# KiCad board Ultrasonic Sound Steering - Control Rev. A.kicad_pcb (continued)
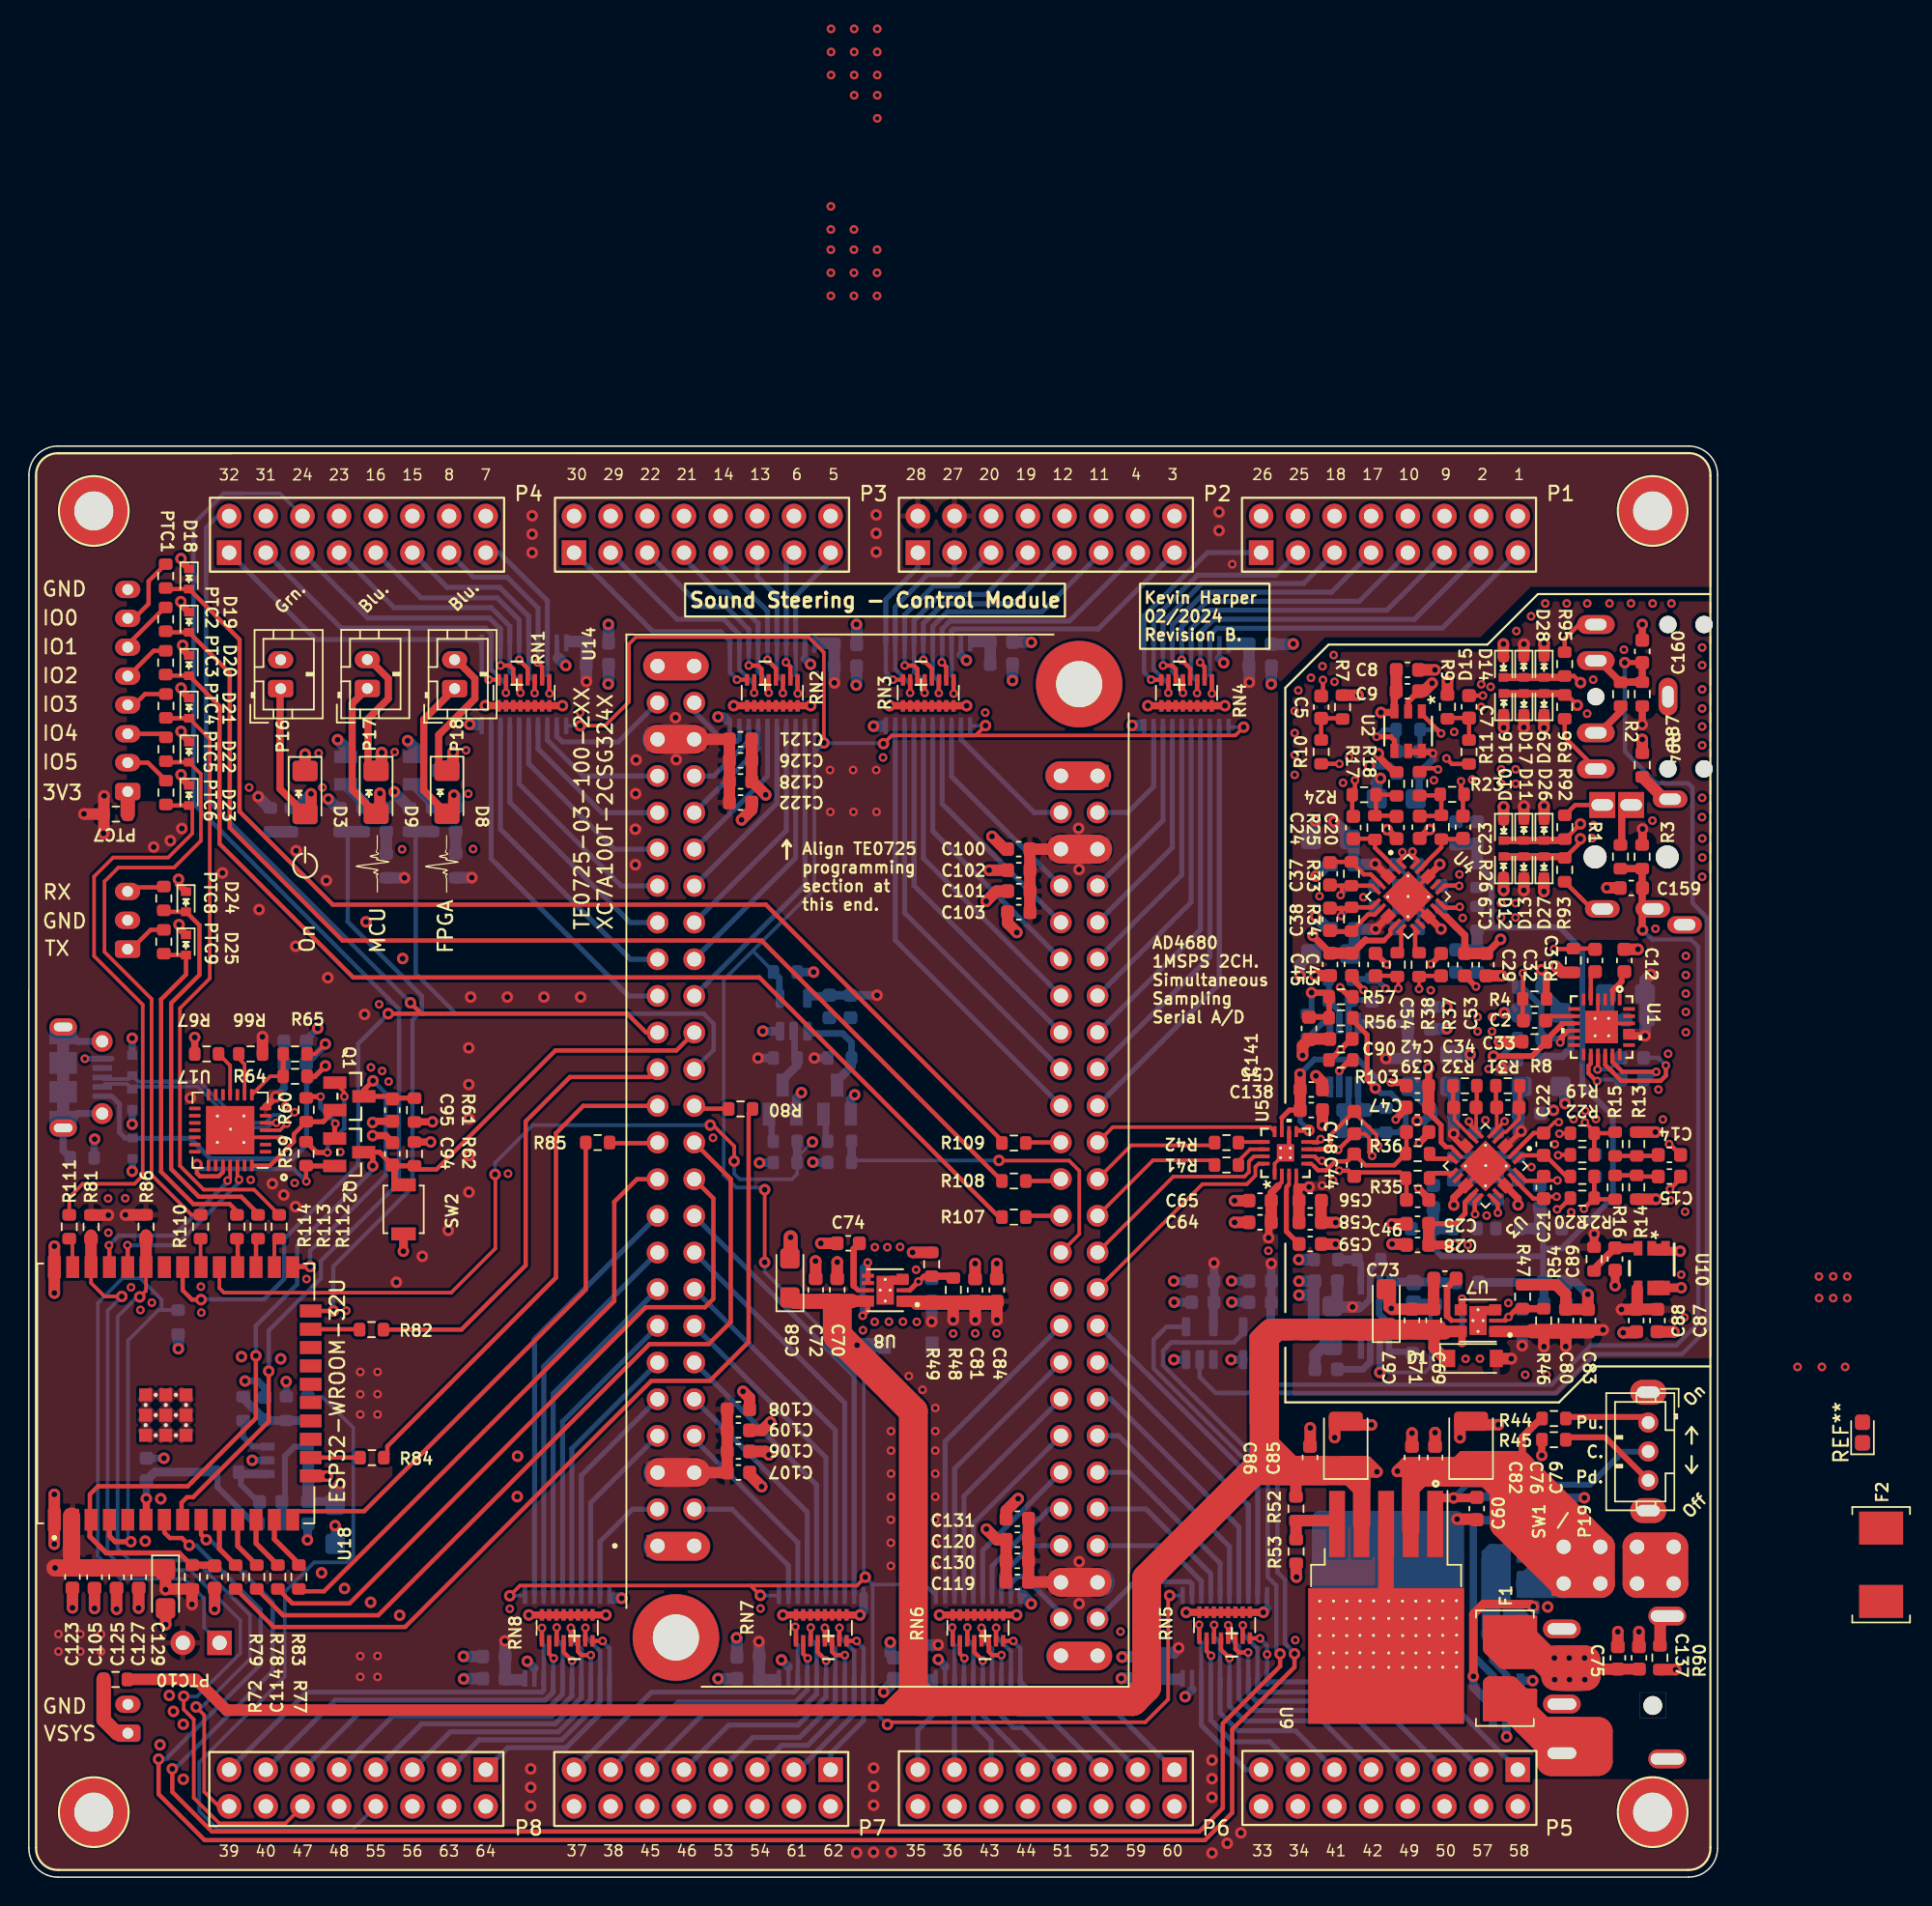
[diagram p0: board, top side]
## Routing (per net, layer and track width the routed paths; a pad name or vN(x,y) marks a point on that pad's centre or on a via; arc(x,y) is an arc through that point) (continued)
  Top w0.5: P17.2 23.59,84.35 24.9,83.04 24.9,81.64 23.5,80.24 23.5,77.21 D9.1
  Top w0.8: v2(24.45,77.91) 24.45,77.04
  Bottom w0.25: 24.45,77.85 v2(24.45,77.91)
  Bottom w0.8: 24.45,77.85 24.4,77.8 24.4,77.1 23.96,76.66
Net-(D9-Pad2): length 12.5
  Top w0.25: 24.32,73.94 D9.2
  Top w0.5: D9.2 22.4,75.34 22.4,81.3 P17.1
  Top w0.8: v2(24.32,75.09) 24.32,73.94
  Bottom w0.6: 24.76,74.09 24.31,74.54 24.31,75.08 v2(24.32,75.09)
Net-(F1-Pad1): length 104.4
  Top w0.25: 105.29,8.02 102.26,11.05 F1.1 ; 103.46,12.67 106.5,9.64
  Top w0.3: 103.86,12.77 103.86,11.35 ; 103.81,12.92 103.81,11.5 ; 102.93,12.92 104.35,12.92 ; 103.81,12.81 103.81,11.39 ; 104.1,12.81 104.1,11.39 ; 104.13,12.87 104.13,11.45 ; 103.98,12.84 103.98,11.42 ; 104.35,12.92 104.35,11.5
  Top w1: 102.39,13.41 101.24,13.41 101.24,11.31 ; 102.61,11.87 105.65,8.84 ; 102.33,11.73 105.37,8.7 ; 103.38,12.13 106.42,9.1 ; 103.53,12.6 102.72,13.41 101.57,13.41 ; 103.14,11.87 106.18,8.84 ; 102.57,11.85 105.61,8.82 ; 103.07,12.46 106.11,9.43 ; 102.68,12.16 105.72,9.13 ; 102.44,11.71 105.48,8.68 ; 102.84,12.34 105.88,9.31 ; 102.98,12.41 106.02,9.38
  Top w2: 108.66,8 106.6,8 ; 107.52,8 105.46,8 ; 105.46,9.61 105.46,8.02 ; 105.49,8.01 108.24,8.01 ; 105.6,8.6 108.35,8.6 ; 108.73,10.09 108.73,8.03 108.72,8.02 ; P13.1 105.29,9.51 105.29,9.6 ; 104.68,10.09 107.43,10.09 ; 105.97,10.09 108.72,10.09 ; 105.46,8.48 105.46,10.07 ; 106.22,9.12 105.99,9.35 106.12,9.22 108.66,9.22 ; 105.47,8.59 108.22,8.59 ; 105.47,8.32 105.47,9.91 ; 107.13,10.09 105.54,10.09 ; 107.17,9.6 105.58,9.6 ; 105.46,10.08 108.21,10.08
Net-(P1-Pad1): length 11.9
  Bottom w0.35: P1.1 81.65,91.76 77.27,87.39 U13.11
Net-(P1-Pad3): length 13.6
  Bottom w0.35: U13.12 77.92,87.16 80.98,90.21 86.36,90.21 P1.3
Net-(P1-Pad5): length 15.4
  Bottom w0.35: U13.13 78.57,86.94 81.26,89.62 88.31,89.62 P1.5
Net-(P1-Pad7): length 17.2
  Bottom w0.35: P1.7 90.25,89.02 81.49,89.02 79.22,86.76 U13.14
Net-(P1-Pad9): length 19
  Bottom w0.35: P1.9 92.16,88.39 81.63,88.39 79.87,86.63 U13.15
Net-(P1-Pad11): length 20.8
  Bottom w0.35: P1.11 94.08,87.77 81.82,87.77 80.52,86.48 U13.16
Net-(P1-Pad13): length 22.6
  Bottom w0.35: U13.17 81.17,86.25 82.07,87.14 95.99,87.14 P1.13
Net-(P1-Pad15): length 24.3
  Bottom w0.35: P1.15 97.92,86.53 82.3,86.53 81.82,86.06 U13.18
Net-(P2-Pad1): length 11.1
  Top w0.2: 60.55,82.96 60.56,82.95
  Top w0.3: v1(59.86,82.96) 60.55,82.96
  Bottom w0.25: v1(59.86,82.96) 59.86,82.99
  Bottom w0.3: 59.38,85.51 59.38,83.48 59.86,82.99
  Bottom w0.35: 59.37,86.04 U16.11 59.37,88.52 61.59,90.73 P2.1
Net-(P2-Pad3): length 13.6
  Top w0.2: 61.05,82.05 61.06,82.06
  Top w0.3: 61.06,82.06 61.06,82.95
  Bottom w0.3: 61.05,82.05 61.05,82.65 60.03,83.68 60.03,85.51
  Bottom w0.35: U16.12 60.02,88.01 62.26,90.24 63.8,90.24 64.13,90.57 P2.3
Net-(P2-Pad5): length 13
  Top w0.3: 61.56,82.95 61.56,83.7 61.32,83.94 60.68,83.94
  Bottom w0.25: 60.68,83.94 60.68,83.95
  Bottom w0.3: 60.68,83.95 60.68,85.51
  Bottom w0.35: U16.13 60.67,87.46 62.67,89.45 64.36,89.45 P2.5
Net-(P2-Pad7): length 16
  Top w0.3: 62.06,82.05 62.06,82.95
  Bottom w0.3: 61.33,85.51 61.33,83.53 62.06,82.79 62.06,82.05
  Bottom w0.35: P2.7 66.32,88.87 63.14,88.87 61.32,87.06 U16.14
Net-(P2-Pad9): length 16
  Top w0.3: 61.98,84.33 62.56,83.74 62.56,82.95
  Bottom w0.3: 61.98,84.33 61.98,85.51
  Bottom w0.35: P2.9 68.2,88.21 63.33,88.21 61.97,86.86 U16.15
Net-(P2-Pad11): length 19.5
  Top w0.2: 63.04,82.93 63.06,82.95
  Top w0.3: 63.04,82.03 63.04,82.93
  Bottom w0.3: 62.63,85.51 62.63,83.28 63.04,82.86 63.04,82.03
  Bottom w0.35: U16.16 62.62,86.67 63.62,87.66 70.19,87.66 P2.11
Net-(P2-Pad13): length 19.4
  Top w0.3: 63.56,82.95 63.56,83.85 63.25,84.16
  Bottom w0.25: 63.25,84.16 63.28,84.19
  Bottom w0.3: 63.28,84.19 63.28,85.51
  Bottom w0.35: U16.17 63.27,86.48 63.82,87.02 72.09,87.02 P2.13
Net-(P2-Pad15): length 23.2
  Top w0.2: 64.07,82 64.07,82.05 64.12,82.1
  Top w0.3: 64.06,82.95 64.06,82.01 64.07,82
  Bottom w0.3: 63.93,85.51 63.93,83.26 64.07,83.12 64.07,82
  Bottom w0.35: P2.15 74.08,86.47 64.05,86.47 63.92,86.35 U16.18
Net-(P3-Pad1): length 13.6
  Bottom w0.35: U20.11 48.57,85.65 47.94,86.28 43.25,86.28 P3.1
Net-(P3-Pad3): length 11.9
  Bottom w0.35: P3.3 44.92,87.15 48.15,87.15 49.22,86.08 U20.12
Net-(P3-Pad5): length 10.3
  Bottom w0.35: P3.5 46.58,88.03 48.29,88.03 49.87,86.45 U20.13
Net-(P3-Pad7): length 9
  Bottom w0.25: 45.39,91.18 P3.7
  Bottom w0.35: U20.14 50.52,86.87 48.36,89.03 47.73,89.03 45.59,91.18 45.39,91.18
Net-(P3-Pad9): length 7.7
  Bottom w0.35: U20.15 51.17,87.71 47.93,90.96 P3.9
Net-(P3-Pad11): length 6.9
  Bottom w0.35: P3.11 50.47,90.12 51.82,88.76 U20.16
Net-(P3-Pad13): length 6.6
  Bottom w0.35: U20.17 52.48,85.42 52.48,91.24 P3.13
Net-(P3-Pad15): length 7.4
  Bottom w0.35: U20.18 53.12,88.77 55.55,91.19 P3.15
Net-(P4-Pad1): length 37.4
  Top w0.2: 84.6,16.54 RN5.16 ; 32.55,82.96 RN1.16 ; 49.75,82.96 RN2.16 ; 56.66,16.36 RN7.16 ; 78.45,82.96 RN4.16
  Top w0.3: v1(57.35,16.36) 56.66,16.36 ; v1(49.06,82.96) 49.75,82.96 ; v1(77.76,82.96) 78.45,82.96 ; v1(31.86,82.96) 32.55,82.96 ; v1(85.29,16.54) 84.6,16.54
  Bottom w0.25: v1(85.29,16.54) 85.29,16.51 ; v1(57.35,16.36) 57.35,16.33 ; v1(31.86,82.96) 31.86,82.99 ; v1(77.76,82.96) 77.76,82.99 ; v1(49.06,82.96) 49.06,82.99
  Bottom w0.3: 85.29,16.51 85.78,16.03 85.78,13.99 ; 77.76,82.99 77.27,83.48 77.27,85.51 ; 48.57,85.51 48.57,83.48 49.06,82.99 ; U22.11 31.37,83.48 31.86,82.99 ; 57.35,16.33 57.83,15.85 57.83,13.81
  Bottom w0.35: U22.11 31.13,85.75 19.88,85.75 P4.1
Net-(P4-Pad3): length 42.5
  Top w0.2: v1(84.1,17.45) 84.09,17.44 ; v1(56.16,17.27) 56.15,17.26 ; v1(50.25,82.05) 50.26,82.06 ; v1(33.05,82.05) 33.06,82.06 ; v1(78.95,82.05) 78.96,82.06
  Top w0.3: 84.09,17.44 RN5.15 ; 78.96,82.06 RN4.15 ; 56.15,17.26 RN7.15 ; 50.26,82.06 RN2.15 ; 33.06,82.06 RN1.15
  Bottom w0.3: 57.18,13.81 57.18,15.64 56.16,16.67 v1(56.16,17.27) ; 85.13,13.99 85.13,15.83 84.1,16.85 v1(84.1,17.45) ; v1(33.05,82.05) 33.05,82.66 32.02,83.68 U22.12 ; v1(78.95,82.05) 78.95,82.65 77.92,83.68 77.92,85.51 ; 49.22,85.51 49.22,83.68 50.25,82.66 v1(50.25,82.05)
  Bottom w0.35: U22.12 32.02,86.15 31.64,86.53 21.64,86.53 P4.3
  vias: v1(38.56,17.27) v1(61.05,82.05) v1(67.01,17.27)
Net-(P4-Pad5): length 33.4
  Top w0.3: RN5.14 83.59,15.8 83.83,15.56 v1(84.47,15.56) ; RN7.14 55.65,15.62 55.89,15.38 v1(56.53,15.38) ; RN4.14 79.46,83.7 79.22,83.94 v1(78.58,83.94) ; RN1.14 33.56,83.7 33.32,83.94 v1(32.68,83.94) ; v1(49.88,83.94) 50.52,83.94 50.76,83.7 RN2.14
  Bottom w0.25: v1(49.88,83.94) 49.87,83.95 ; v1(56.53,15.38) 56.53,15.38 ; v1(84.47,15.56) 84.48,15.56 ; v1(32.68,83.94) 32.67,83.95 ; v1(78.58,83.94) 78.57,83.95
  Bottom w0.3: 78.57,83.95 78.57,85.51 ; 49.87,83.95 49.87,85.51 ; 56.53,15.38 56.53,13.81 ; 32.67,83.95 U22.13 ; 84.48,15.56 84.48,13.99
  Bottom w0.35: P4.5 23.48,87.23 31.92,87.23 32.67,86.48 U22.13
  vias: v1(35.55,17.26) v1(38.93,15.38) v1(53.1,17.34) v1(60.68,83.94) v1(63.97,17.29) v1(67.38,15.38) v1(81.08,17.48)
Net-(P4-Pad7): length 38.4
  Top w0.3: v1(79.96,82.05) RN4.13 ; v1(51.26,82.05) RN2.13 ; v1(55.15,17.27) RN7.13 ; v1(34.06,82.05) RN1.13 ; v1(83.09,17.45) RN5.13
  Bottom w0.3: v1(55.15,17.27) 55.15,16.53 55.88,15.8 55.88,13.81 ; v1(79.96,82.05) 79.96,82.79 79.22,83.53 79.22,85.51 ; U22.14 33.32,83.53 34.06,82.79 v1(34.06,82.05) ; 83.83,13.99 83.83,15.98 83.09,16.71 v1(83.09,17.45) ; 50.52,85.51 50.52,83.53 51.26,82.79 v1(51.26,82.05)
  Bottom w0.35: P4.7 25.3,87.95 32.03,87.95 33.32,86.66 U22.14
  vias: v1(37.55,17.27) v1(62.06,82.05) v1(66,17.27)
Net-(P4-Pad9): length 27.5
  Top w0.3: v1(79.87,84.33) 80.46,83.74 RN4.12 ; RN5.12 82.59,15.76 v1(83.18,15.18) ; v1(33.97,84.33) 34.56,83.74 RN1.12 ; v1(55.23,15) 54.65,15.58 RN7.12 ; RN2.12 51.76,83.74 v1(51.17,84.33)
  Bottom w0.3: v1(83.18,15.18) 83.18,13.99 ; v1(79.87,84.33) 79.87,85.51 ; v1(33.97,84.33) U22.15 ; v1(55.23,15) 55.23,13.81 ; v1(51.17,84.33) 51.17,85.51
  Bottom w0.35: U22.15 33.97,87.1 32.44,88.63 27.16,88.63 P4.9
  vias: v1(37.63,15) v1(61.98,84.33) v1(66.09,15)
Net-(P4-Pad11): length 34.6
  Top w0.2: 82.11,16.57 RN5.11 ; 35.04,82.93 RN1.11 ; 52.24,82.93 RN2.11 ; 54.17,16.39 RN7.11 ; 80.94,82.93 RN4.11
  Top w0.3: v1(80.94,82.03) 80.94,82.93 ; v1(54.17,17.29) 54.17,16.39 ; v1(82.11,17.47) 82.11,16.57 ; v1(52.24,82.03) 52.24,82.93 ; v1(35.04,82.03) 35.04,82.93
  Bottom w0.3: v1(52.24,82.03) 52.24,82.86 51.82,83.28 51.82,85.51 ; v1(54.17,17.29) 54.17,16.46 54.58,16.05 54.58,13.81 ; v1(80.94,82.03) 80.94,82.86 80.52,83.28 80.52,85.51 ; 82.53,13.99 82.53,16.23 82.11,16.64 v1(82.11,17.47) ; v1(35.04,82.03) 35.04,82.86 34.62,83.28 U22.16
  Bottom w0.35: P4.11 28.98,89.35 32.63,89.35 34.62,87.36 U22.16
  vias: v1(36.57,17.29) v1(63.04,82.03) v1(65.02,17.29)
Net-(P4-Pad13): length 23.7
  Top w0.3: RN2.10 52.76,83.85 v1(52.45,84.16) ; RN7.10 53.65,15.47 v1(53.96,15.16) ; v1(35.25,84.16) 35.56,83.85 RN1.10 ; RN5.10 81.59,15.66 v1(81.9,15.34) ; RN4.10 81.46,83.85 v1(81.14,84.16)
  Bottom w0.25: v1(52.45,84.16) 52.47,84.19 ; v1(81.14,84.16) 81.17,84.19 ; v1(35.25,84.16) 35.27,84.19 ; v1(53.96,15.16) 53.93,15.14 ; v1(81.9,15.34) 81.88,15.32
  Bottom w0.3: 53.93,15.14 53.93,13.81 ; 35.27,84.19 U22.17 ; 52.47,84.19 52.47,85.51 ; 81.88,15.32 81.88,13.99 ; 81.17,84.19 81.17,85.51
  Bottom w0.35: U22.17 35.27,87.93 33.14,90.06 30.81,90.06 P4.13
  vias: v1(36.36,15.16) v1(63.25,84.16) v1(64.81,15.16)
Net-(P4-Pad15): length 24.6
  Top w0.2: 81.08,17.5 81.08,17.45 81.03,17.4 ; v1(81.97,82) 81.97,82.05 82.02,82.1 ; v1(36.07,82) 36.07,82.05 36.12,82.1 ; 53.32,82.1 53.27,82.05 v1(53.27,82) ; 53.14,17.32 53.14,17.27 53.09,17.22
  Top w0.3: 53.14,17.32 53.15,17.31 RN7.9 ; v1(81.97,82) 81.96,82.01 RN4.9 ; v1(53.27,82) 53.26,82.01 RN2.9 ; v1(36.07,82) 36.06,82.01 RN1.9 ; RN5.9 81.09,17.49 81.08,17.5
  Bottom w0.25: 35.93,85.51 U22.18
  Bottom w0.3: v1(81.97,82) 81.97,83.12 81.83,83.26 81.83,85.51 ; 35.93,85.51 35.93,83.26 36.07,83.12 v1(36.07,82) ; v1(53.27,82) 53.27,83.12 53.13,83.26 53.13,85.51
  Bottom w0.35: P4.15 32.59,91.76 35.92,88.43 U22.18
  vias: v1(64.07,82)
Net-(P5-Pad1): length 20
  Bottom w0.35: U12.11 86.03,13.52 97.07,13.52 P5.1
Net-(P5-Pad3): length 18.6
  Bottom w0.35: U12.12 85.13,12.94 85.26,12.81 95.24,12.81 P5.3
Net-(P5-Pad5): length 16.8
  Bottom w0.35: U12.13 84.48,12.74 85.04,12.18 93.33,12.18 P5.5
Net-(P5-Pad7): length 15.1
  Bottom w0.35: P5.7 91.43,11.54 84.68,11.54 83.83,12.39 U12.14
Net-(P5-Pad9): length 13.5
  Bottom w0.35: U12.15 83.18,11.87 84.22,10.83 89.6,10.83 P5.9
Net-(P5-Pad11): length 11.9
  Bottom w0.35: U12.16 82.53,11.38 83.77,10.14 87.75,10.14 P5.11
Net-(P5-Pad13): length 10.3
  Bottom w0.35: U12.17 81.88,10.89 83.39,9.38 85.97,9.38 P5.13
Net-(P5-Pad15): length 12.2
  Bottom w0.3: 81.08,17.5 81.08,16.38 81.22,16.24 81.22,14
  Bottom w0.35: U12.18 81.23,10.52 84.31,7.44 P5.15
Net-(P6-Pad1): length 16.9
  Top w0.2: 67.51,16.36 67.5,16.37
  Top w0.3: v1(68.2,16.36) 67.51,16.36
  Bottom w0.25: v1(68.2,16.36) 68.2,16.33
  Bottom w0.3: 68.69,13.81 68.69,15.85 68.2,16.33
  Bottom w0.35: U15.11 68.68,13.56 69.49,12.75 74.01,12.75 79.32,7.44 P6.1
Net-(P6-Pad3): length 16.6
  Top w0.2: 67.01,17.27 67,17.26
  Top w0.3: 67,17.26 67,16.37
  Bottom w0.3: 68.04,13.81 68.04,15.64 67.01,16.67 67.01,17.27
  Bottom w0.35: U15.12 68.03,13.08 69.12,11.99 72.28,11.99 P6.3
Net-(P6-Pad5): length 13.6
  Top w0.3: 66.5,16.37 66.5,15.62 66.74,15.38 67.38,15.38
  Bottom w0.25: 67.38,15.38 67.39,15.38
  Bottom w0.3: 67.39,15.38 67.39,13.81
  Bottom w0.35: P6.5 70.45,11.28 68.57,11.28 67.38,12.47 U15.13
Net-(P6-Pad7): length 13.4
  Top w0.3: 66,17.27 66,16.37
  Bottom w0.3: 66,17.27 66,16.53 66.74,15.8 66.74,13.81
  Bottom w0.35: U15.14 66.73,11.84 68.21,10.36 68.83,10.36 P6.7
Net-(P6-Pad9): length 10.4
  Top w0.3: 66.09,15 65.5,15.58 65.5,16.37
  Bottom w0.3: 66.09,15 66.09,13.81
  Bottom w0.35: P6.9 69.21,8.08 66.08,11.21 U15.15
Net-(P6-Pad11): length 11.4
  Top w0.2: 65.02,16.39 65,16.37
  Top w0.3: 65.02,17.29 65.02,16.39
  Bottom w0.3: 65.02,17.29 65.02,16.46 65.44,16.05 65.44,13.81
  Bottom w0.35: U15.16 65.43,10.66 66.67,9.42 P6.11
Net-(P6-Pad13): length 9.3
  Top w0.3: 64.5,16.37 64.5,15.47 64.81,15.16
  Bottom w0.25: 64.81,15.16 64.79,15.14
  Bottom w0.3: 64.79,15.14 64.79,13.81
  Bottom w0.35: P6.13 64.13,11.46 64.79,12.12 64.79,13.77 U15.17
Net-(P6-Pad15): length 12
  Top w0.2: 63.94,17.22 63.99,17.27 63.99,17.32
  Top w0.3: 64,16.37 64,17.31 63.99,17.32
  Bottom w0.3: 64.13,13.82 64.13,16.06 63.99,16.2 63.99,17.32
  Bottom w0.35: U15.18 64.13,12.74 61.59,10.19 P6.15
Net-(P7-Pad1): length 7.3
  Bottom w0.35: P7.1 55.55,8.57 57.82,10.85 U19.11
Net-(P7-Pad3): length 8.2
  Bottom w0.35: P7.3 53.33,7.44 57.17,11.29 U19.12
Net-(P7-Pad5): length 9.9
  Bottom w0.35: U19.13 56.52,11.7 53.96,9.13 52.16,9.13 P7.5
Net-(P7-Pad7): length 11.5
  Bottom w0.35: U19.14 55.87,12.16 53.4,9.68 50.16,9.68 P7.7
Net-(P7-Pad9): length 13.2
  Bottom w0.35: P7.9 48.48,10.53 53.29,10.53 55.22,12.47 U19.15
Net-(P7-Pad11): length 15
  Bottom w0.35: P7.11 46.74,11.33 53.21,11.33 54.57,12.69 U19.16
Net-(P7-Pad13): length 16.7
  Bottom w0.35: P7.13 44.99,12.12 53.08,12.12 53.92,12.97 U19.17
Net-(P7-Pad15): length 22.1
  Bottom w0.3: 53.28,13.82 53.28,16.06 53.14,16.2 53.14,17.32
  Bottom w0.35: P7.15 43.14,12.81 52.99,12.81 53.27,13.1 U19.18
Net-(P8-Pad1): length 15.7
  Top w0.2: 39.06,16.36 39.05,16.37
  Top w0.3: v1(39.75,16.36) 39.06,16.36
  Bottom w0.25: v1(39.75,16.36) 39.75,16.33
  Bottom w0.3: 40.23,13.81 40.23,15.85 39.75,16.33
  Bottom w0.35: U21.11 40.22,11.96 37.23,8.97 33.18,8.97 P8.1
Net-(P8-Pad3): length 18.8
  Top w0.2: 38.56,17.27 38.55,17.26
  Top w0.3: 38.55,17.26 38.55,16.37
  Bottom w0.3: 38.56,17.27 38.56,16.67 39.58,15.64 39.58,13.81
  Bottom w0.35: U21.12 39.57,12.17 36.92,9.52 31.19,9.52 P8.3
Net-(P8-Pad5): length 19.1
  Top w0.3: 38.93,15.38 38.29,15.38 38.05,15.62 38.05,16.37
  Bottom w0.25: 38.93,15.38 38.93,15.38
  Bottom w0.3: 38.93,15.38 38.93,13.81
  Bottom w0.35: U21.13 38.92,12.3 36.69,10.07 29.2,10.07 P8.5
Net-(P8-Pad7): length 22.8
  Top w0.3: 37.55,17.27 37.55,16.37
  Bottom w0.3: 37.55,17.27 37.55,16.53 38.28,15.8 38.28,13.81
  Bottom w0.35: U21.14 38.27,12.43 36.46,10.62 27.21,10.62 P8.7 24.03,7.94
Net-(P8-Pad9): length 22.3
  Top w0.3: 37.63,15 37.05,15.58 37.05,16.37
  Bottom w0.3: 37.63,15 37.63,13.81
  Bottom w0.35: P8.9 25.22,11.17 36.23,11.17 37.62,12.55 U21.15
Net-(P8-Pad11): length 25.9
  Top w0.2: 36.57,16.39 36.55,16.37
  Top w0.3: 36.57,17.29 36.57,16.39
  Bottom w0.3: 36.98,13.81 36.98,16.05 36.57,16.46 36.57,17.29
  Bottom w0.35: U21.16 36.97,12.68 36.01,11.71 23.22,11.71 P8.11
Net-(P8-Pad13): length 25.8
  Top w0.3: 36.36,15.16 36.05,15.47 36.05,16.37
  Bottom w0.25: 36.36,15.16 36.33,15.14
  Bottom w0.3: 36.33,15.14 36.33,13.81
  Bottom w0.35: P8.13 21.23,12.26 35.78,12.26 36.32,12.81 U21.17
Net-(P8-Pad15): length 29.5
  Top w0.2: 35.49,17.22 35.54,17.27 35.54,17.32
  Top w0.3: 35.55,16.37 35.55,17.31 35.54,17.32
  Bottom w0.3: 35.54,17.32 35.54,16.2 35.68,16.06 35.68,13.82
  Bottom w0.35: U21.18 35.67,12.94 35.55,12.81 19.24,12.81 P8.15
Net-(P10-Pad6): length 29.3
  Bottom w0.5: P10.6 2.38,51.26 ; P10.6 3.38,52.9 P10.6 ; P10.6 2.38,50.34 R63.2 ; P10.6 P10.6 ; P10.6 P10.6 ; P10.6 P10.6 3.38,57.9 P10.6 ; P10.6 P10.6
  Bottom w0.8: P10.6 P10.6 P10.6 ; 2.37,55.79 2.37,58.29 2.37,56.39 ; 2.38,53.77 2.38,56.27 2.38,54.37
Net-(P11-Pad2): length 4.4
  Top w0.25: P11.2 108.56,76.81
  Top w0.3: R95.2 106.4,78.97 108.56,76.81
Net-(P11-Pad3): length 3.5
  Top w0.25: P11.3 107.4,86.78
  Top w0.3: R96.2 106.4,85.79 107.4,86.78
Net-(P11-Pad4): length 3.3
  Top w0.25: 108,79.28 108.81,79.28
  Top w0.5: 108.81,79.28 110.28,80.75 R87.2
Net-(P12-Pad4): length 2.6
  Top w0.25: 113.32,74.68 P12.4
  Top w0.8: R94.2 113.32,74.68
Net-(P12-Pad6): length 3.1
  Top w0.5: R3.2 110.36,71.61 110.36,73.63 P12.6
Net-(P13-Pad5): length 2.9
  Top w0.25: 113.02,16.05 R90.2
  Top w0.5: P13.6 114.1,8.19
  Top w0.8: P13.5 113.02,17.6 113.02,16.05
Net-(P14-Pad1): length 3.1
  Top w0.25: 6.88,64.29 P14.1
  Top w0.3: PTC9.1 8.44,65.63 7.1,64.29 P14.1
Net-(P14-Pad3): length 3
  Top w0.3: 6.84,68.64 P14.3 7.12,68.57 9.29,68.57 PTC8.1
Net-(P15-Pad1): length 1.9
  Top w0.25: P15.1 7.21,75.21
  Top w1: PTC7.1 P15.1
Net-(P15-Pad2): length 3.2
  Top w0.3: P15.2 8.25,77.21 PTC6.1
Net-(P15-Pad3): length 2.8
  Top w0.3: P15.3 9.25,79.21 PTC5.1
Net-(P15-Pad4): length 3
  Top w0.3: 6.86,81.2 P15.4 7.29,81.21 8.05,81.97 PTC4.1
Net-(P15-Pad5): length 3.4
  Top w0.3: P15.5 6.89,83.21 8.65,84.97 PTC3.1
Net-(P15-Pad6): length 3.9
  Top w0.3: PTC2.1 9.42,87.97 6.85,85.39 P15.6
Net-(P15-Pad7): length 5.1
  Top w0.3: PTC1.1 8.3,89.79 8.3,88.22 7.29,87.21 P15.7
Net-(P19-Pad1): length 5
  Top w0.25: P19#2.1 6.86,10.09
  Top w1: PTC10.2 5.18,10.89 6.1,9.97 P19#2.1
Net-(Q1-Pad1): length 7.4
  Top w0.25: 19.22,50.96 19.21,50.95 19.21,50.95 ; v1(21.86,54.08) 21.86,54.39 Q1.1
  Top w0.35: 19.95,50.2 19.21,50.95
  Top w0.354: v1(20.69,50.2) 19.95,50.2
  Bottom w0.3: v1(20.69,50.2) 20.69,50.69 21.86,51.86 v1(21.86,54.08)
Net-(Q2-Pad1): length 4.4
  Top w0.25: 19.19,53.97 19.2,53.99 R60.2 19.3,54.07 ; 21.19,52.16 v1(21.23,52.2)
  Top w0.35: Q2.1 21.19,52.16 ; 19.3,54.07 v1(20.21,54.07)
  Bottom w0.25: 21.23,52.27 v1(21.23,52.2)
  Bottom w0.3: 21.23,52.27 20.21,53.29 v1(20.21,54.07)
Net-(Q3-Pad1): length 2.1
  Bottom w0.8: R69.2 27.97,74.47 Q3.1
Net-(Q4-Pad1): length 2.1
  Bottom w0.8: R74.2 23.16,74.5 Q4.1
Net-(Q5-Pad3): length 6.7
  Bottom w0.25: 101.49,15.04 102.43,14.1 ; 101.37,14.94 102.31,14 ; Q5.3 101.44,15.02 102.38,14.08 U23.5 102.31,13.54 ; 101.33,14.93 102.27,13.99
  Bottom w0.5: 102.35,13.74 102.35,14
Net-(Q5-Pad4): length 150.3
  Top w0.6: v2(100.08,13.91) 100.08,18.22 100.77,18.91 104.06,18.91 v2(104.23,18.75)
  Bottom w0.2: 102.57,20.05 102.57,18.89 102.56,18.88 ; 101.52,17.21 101.21,17.21 ; 101.39,17.21 101.08,17.21 ; 101.8,17.21 101.49,17.21 ; 101.06,17.52 101.06,17.21 101.37,17.21 ; 102.57,20.13 102.57,18.96 ; 101.69,17.21 101.38,17.21 ; 101.8,17.48 101.8,17.17 ; 102.57,18.88 101.39,18.88 ; 101.8,17.54 101.8,17.23 ; 101.78,17.21 101.47,17.21 ; 100.78,22.49 100.75,22.46 100.75,21.89 100.78,21.86 ; 101.06,17.26 101.06,17.57
  Bottom w0.25: 101.77,18.5 101.77,17.41 101.63,17.27 ; 101.18,17.24 101.49,17.24 ; 102.54,22.94 101.36,22.94 ; 101.26,17.24 101.57,17.24 ; 104.27,18.52 104.27,18.71 v2(104.23,18.75) ; 104.4,18.75 104.5,18.85 104.5,19.02 104.24,19.02 104.23,19 v2(104.23,18.75) ; 104.51,18.84 104.51,18.58 ; 101.23,22.94 100.78,22.49 ; 100.78,22.49 100.78,21.77 ; 100.78,22.49 100.82,22.53 ; 100.78,22.49 101.17,22.89 ; Q6.2 Q6.5 ; Q6.2 Q6.1 101.44,20.97 101.62,20.78 ; Q6.2 102.39,21.55 101.62,20.78 ; Q6.5 101.62,20.78 ; Q6.5 Q6.6 101.49,20.01 102.27,19.23 101.44,18.4 Q5.4 ; 103.95,18.62 104.23,18.34 104.34,18.34 104.5,18.51 104.5,18.74 104.49,18.75 v2(104.23,18.75) ; 103.85,18.98 103.85,18.98 103.93,18.91 103.93,18.63 104.11,18.63 v2(104.23,18.75) ; 104.51,18.77 104.51,19.03 104.25,19.03 ; 104.51,18.65 104.51,18.39 ; 102.41,18.91 101.23,18.91 ; 101.45,17.24 101.76,17.24 ; 104.51,18.72 104.51,18.46 ; 104.25,18.34 104.51,18.34 ; 101.77,17.3 101.77,17.61 ; 101.43,18.36 102.26,19.19 ; 101.09,17.24 101.4,17.24 ; 103.93,18.62 104.21,18.34 ; 102.54,20.15 102.54,18.98 ; 104.29,19.03 104.03,19.03 ; 101.42,17.24 101.73,17.24 ; 104.39,19.03 104.13,19.03 ; 101.32,17.97 101.32,19.15 ; 104.51,18.6 104.51,18.34 ; 101.77,17.47 101.77,18.65 ; 101.54,18.05 101.54,19.23 ; 104.51,18.97 104.51,18.71 ; 101.12,17.24 101.43,17.24
  Bottom w0.35: 102.54,18.98 102.56,18.96 104.02,18.96 v2(104.23,18.75) 104,18.97 ; 103.05,18.98 104.01,18.98 ; 102.54,18.98 103.03,18.98 ; 103.03,18.98 103.04,18.97 104,18.97 ; 103.03,18.98 102.67,18.98 ; 104,18.97 103.04,18.97 103.03,18.98 ; 103.15,18.98 104.11,18.98 ; 102.89,18.98 103.85,18.98
  Bottom w0.4: 100.85,17.01 100.85,16.63 ; 100.85,16.64 100.85,17.02 ; 101.01,16.63 101.39,16.63 ; 101.7,17.01 101.7,16.63 ; 101.3,16.63 101.68,16.63 ; 101.21,16.63 101.59,16.63 ; 100.88,16.63 101.26,16.63
  Bottom w0.5: 101.21,17.39 101.21,17.7 ; 101.21,17.78 101.21,17.07 ; Q5.4 101.44,17.23
  Bottom w0.6: U23.1 103.33,11.7 102.63,12.39 100.85,12.39 100.08,13.16 v2(100.08,13.91)
  Bottom w0.8: 101.35,20.74 101.35,16.83 ; 101.05,19.09 101.05,22.04 Q6.1 ; 101.36,21.84 101.36,18.4 ; 101.5,20.74 101.5,16.83 ; 101.32,20.75 101.32,16.84 ; 101.36,22.67 101.36,19.24 ; 101.5,20.85 101.5,16.94 ; 101.44,20.96 101.44,17.52 ; 101.05,22.05 101.05,18.61 ; 101.05,20.75 101.05,16.84 ; 101.36,22.54 101.36,19.1 ; 101.28,20.74 101.28,16.83 ; 101.23,20.75 101.23,16.84 ; 101.5,20.97 101.5,17.53 ; 101.19,20.74 101.19,16.83 ; 101.36,20.97 101.36,17.53 ; 101.37,20.97 101.37,17.53
  Bottom w1: 102.17,21.74 102.17,19.33 ; 101.66,22.36 101.66,19.95 ; 102.17,22.44 102.17,20.03 ; 101.66,21.62 101.66,19.21 ; 101.48,22.57 101.48,20.16 ; 101.66,22.33 101.66,19.92 ; 101.47,21.87 101.47,19.46 ; 102.17,22.57 102.17,20.16 ; 101.47,22.57 101.47,19.13 101.48,19.12
Net-(Q6-Pad3): length 2.4
  Bottom w0.25: 103.34,22.43 Q6.3
  Bottom w0.6: 103.34,24.8 103.34,22.43
Net-(R6-Pad1): length 10.7
  Top w0.25: 104.99,57.73 R8.2 ; 106.23,59.07 106.11,58.95 106.11,58.92
  Top w0.3: 106.92,59.14 106.2,59.14 ; 106.93,59.15 106.21,59.15 ; U1.9 106.33,59.15 106.11,58.92
  Top w0.4: v2(101.47,56.88) 104.14,56.88 104.99,57.73 ; 106.21,59.08 105.14,58.02 R8.2
  Bottom w0.4: 103.14,58.1 103.14,58.01 102.02,56.88 v2(101.47,56.88)
Net-(R6-Pad2): length 11.4
  Top w0.25: 107.05,58.65 106.52,58.65 ; 106.55,58.48 106.43,58.36 ; 106.4,58.53 106.09,58.22 v1(106.09,57.83) 106.3,58.04 106.3,58.25 ; 106.67,58.61 106.55,58.48 ; 106.52,58.64 106.4,58.52 ; 107.12,58.65 106.58,58.65 ; 106.42,58.36 106.3,58.23
  Bottom w0.25: 103.45,61.66 R98.1 103.49,61.66 ; 104.78,60.33 104.78,60.22
  Bottom w0.4: 104.78,60.22 104.78,58.1 105.82,58.1 v1(106.09,57.83) ; 104.78,60.32 104.78,58.21 ; 103.45,61.66 104.78,60.33
Net-(R35-Pad2): length 3
  Top w0.25: 98.65,48.77 U3.13 ; R35.2 97.39,48.77
  Top w0.3: 96.96,48.77 98.21,48.77 ; 97.39,48.77 98.65,48.77
Net-(R36-Pad2): length 3
  Top w0.25: 97.39,49.77 R36.2 ; U3.12 98.65,49.77
  Top w0.3: 96.86,49.77 98.11,49.77 ; 98.65,49.77 97.39,49.77
Net-(R37-Pad2): length 1.8
  Top w0.3: U4.13 96.04,64.32 R37.2
Net-(R38-Pad2): length 1.8
  Top w0.3: R38.2 95.07,64.31 U4.12
Net-(R41-Pad1): length 2.4
  Top w0.25: U5.14 84.61,50.43 83.8,49.61 R41.1
Net-(R42-Pad1): length 3
  Top w0.25: R42.1 83.84,50.93 U5.13 85.16,50.93 ; 84.97,50.93 85.74,50.93
Net-(R50-Pad1): length 1.3
  Bottom w0.3: 16.91,72.43 16.89,72.44
  Bottom w0.8: R51.1 16.91,72.43
Net-(R52-Pad1): length 4.3
  Top w0.25: 87.79,23.4 R53.2
  Top w0.8: 87.79,23.4 R52.1 90.4,24.7 U9.5
Net-(R64-Pad1): length 4.3
  Top w0.25: R64.1 16.73,55.48 U17.8
  Top w0.35: R65.1 R64.1
Net-(R66-Pad2): length 3
  Top w0.25: U17.9 14.95,56.32 14.54,56.72 R66.2
Net-(R67-Pad1): length 3.2
  Top w0.25: U17.11 13.95,56.23 R67.1
Net-(R70-Pad1): length 2.3
  Bottom w0.25: R71.1 29.57,71.75
  Bottom w0.8: R70.1 R71.1
Net-(R75-Pad1): length 1.3
  Bottom w0.8: R76.1 24.76,71.16
Net-(R77-Pad1): length 3.9
  Top w0.35: 13.2,25.01 13.2,22.75 R77.1
Net-(R78-Pad1): length 4.3
  Top w0.25: 15.66,25.01 15.48,24.83
  Top w0.35: R78.1 15.74,23.13 15.74,25.01
Net-(R79-Pad1): length 3.7
  Top w0.35: R79.1 14.47,22.94 U18.11
Net-(R80-Pad2): length 2.5
  Top w0.25: 46.29,53.24 U14.26_1
  Top w0.3: R80.2 48.47,53.24 46.29,53.24
Net-(R82-Pad1): length 3.4
  Top w0.25: 22.81,37.96 22.83,37.93
  Top w0.3: U18.23 22.89,37.96
Net-(R83-Pad1): length 3.8
  Top w0.35: U18.13 17.01,23.41 18.71,21.71 R83.1
Net-(R84-Pad1): length 3.4
  Top w0.3: 22.89,29.07 U18.16
  Top w0.35: 22.9,29.05 22.89,29.07
Net-(R85-Pad1): length 3.4
  Top w0.3: 40.27,50.85 43.52,50.85
  Top w0.35: R85.1 40.27,50.85 ; 43.52,50.85 U14.23_1
Net-(R88-Pad2): length 13.2
  Bottom w0.25: 101.61,24.72 R89.1
  Bottom w0.5: R88.2 100.07,24.48 100.07,15.33 101.43,13.97 U23.4
  Bottom w0.6: R88.2 101.61,24.72
Net-(R101-Pad2): length 3.1
  Bottom w0.4: R101.2 14.85,30.5 15.52,29.83 U6.3
Net-(R103-Pad2): length 2.5
  Top w0.4: R103.2 91.54,56.61 v1(90.79,55.87)
  Bottom w0.25: 90.87,54.84 U11.3
  Bottom w0.4: v1(90.79,55.87) U11.3
Net-(R105-Pad2): length 2
  Bottom w0.4: U11.5 89.6,59.15 R105.2
Net-(R107-Pad1): length 2.5
  Top w0.3: U14.26_2 68.98,45.82
Net-(R108-Pad1): length 2.5
  Top w0.3: U14.24_2 71.37,48.23 R108.1
Net-(R109-Pad1): length 2.7
  Top w0.3: U14.22_2 69.11,50.9 R109.1 69.3,50.86
Net-(R110-Pad1): length 2
  Top w0.25: R110.1 11.9,42.29 U18.30
Net-(R111-Pad1): length 1.8
  Top w0.25: 3.02,44.01 3.02,42.28 U18.37
Net-(R112-Pad1): length 3.8
  Top w0.25: U18.26 17.01,43.91 17.34,44.24 ; 17.01,42.48 17.01,44.13
Net-(R113-Pad1): length 1.9
  Top w0.3: 15.74,44.35 15.74,42.47
Net-(R114-Pad1): length 2
  Top w0.3: 14.47,42.47 14.47,44.43 14.42,44.48
Net-(R121-Pad2): length 3.2
  Bottom w0.45: R122.2 92.28,42.52 U24.1
  Bottom w0.6: R121.2 R122.2
Net-(U12-Pad2): length 8.5
  Bottom w0.35: U12.2 80.58,20.31 80.42,20.47 76.63,20.47 U14.47_2
Net-(U12-Pad3): length 9.2
  Bottom w0.35: U14.43_2 78.78,22.96 81.23,20.51 U12.3
